# Altium PCB SwitchPower.PcbDoc
Units mil, origin at the board's own origin, x right, y up, seen from the top; angles counter-clockwise.
Board outline 3937.01 x 3290 mil, 2 copper layers (Top Layer, Bottom Layer); 63 components, 35 nets, 143 pads, 41 vias.
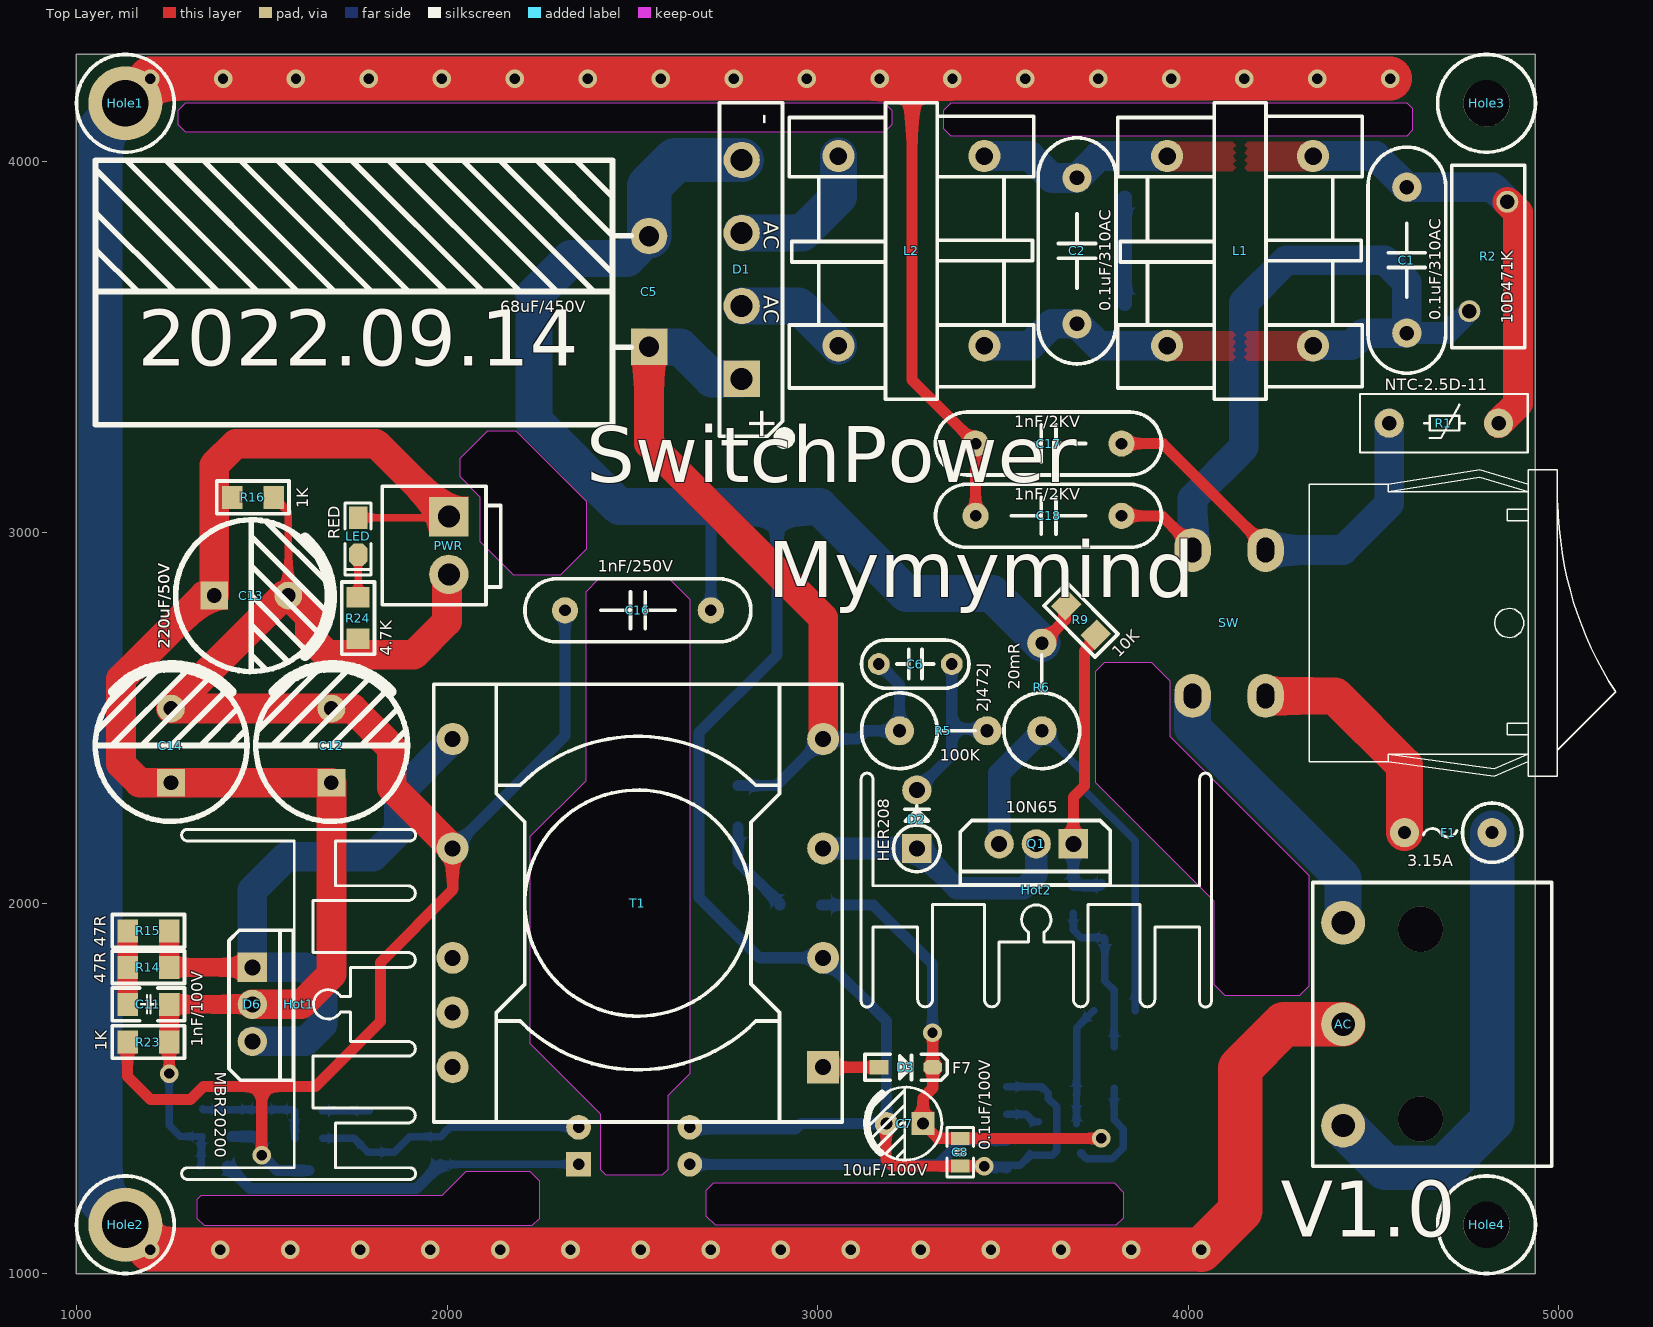
[diagram p0: Top Layer view]
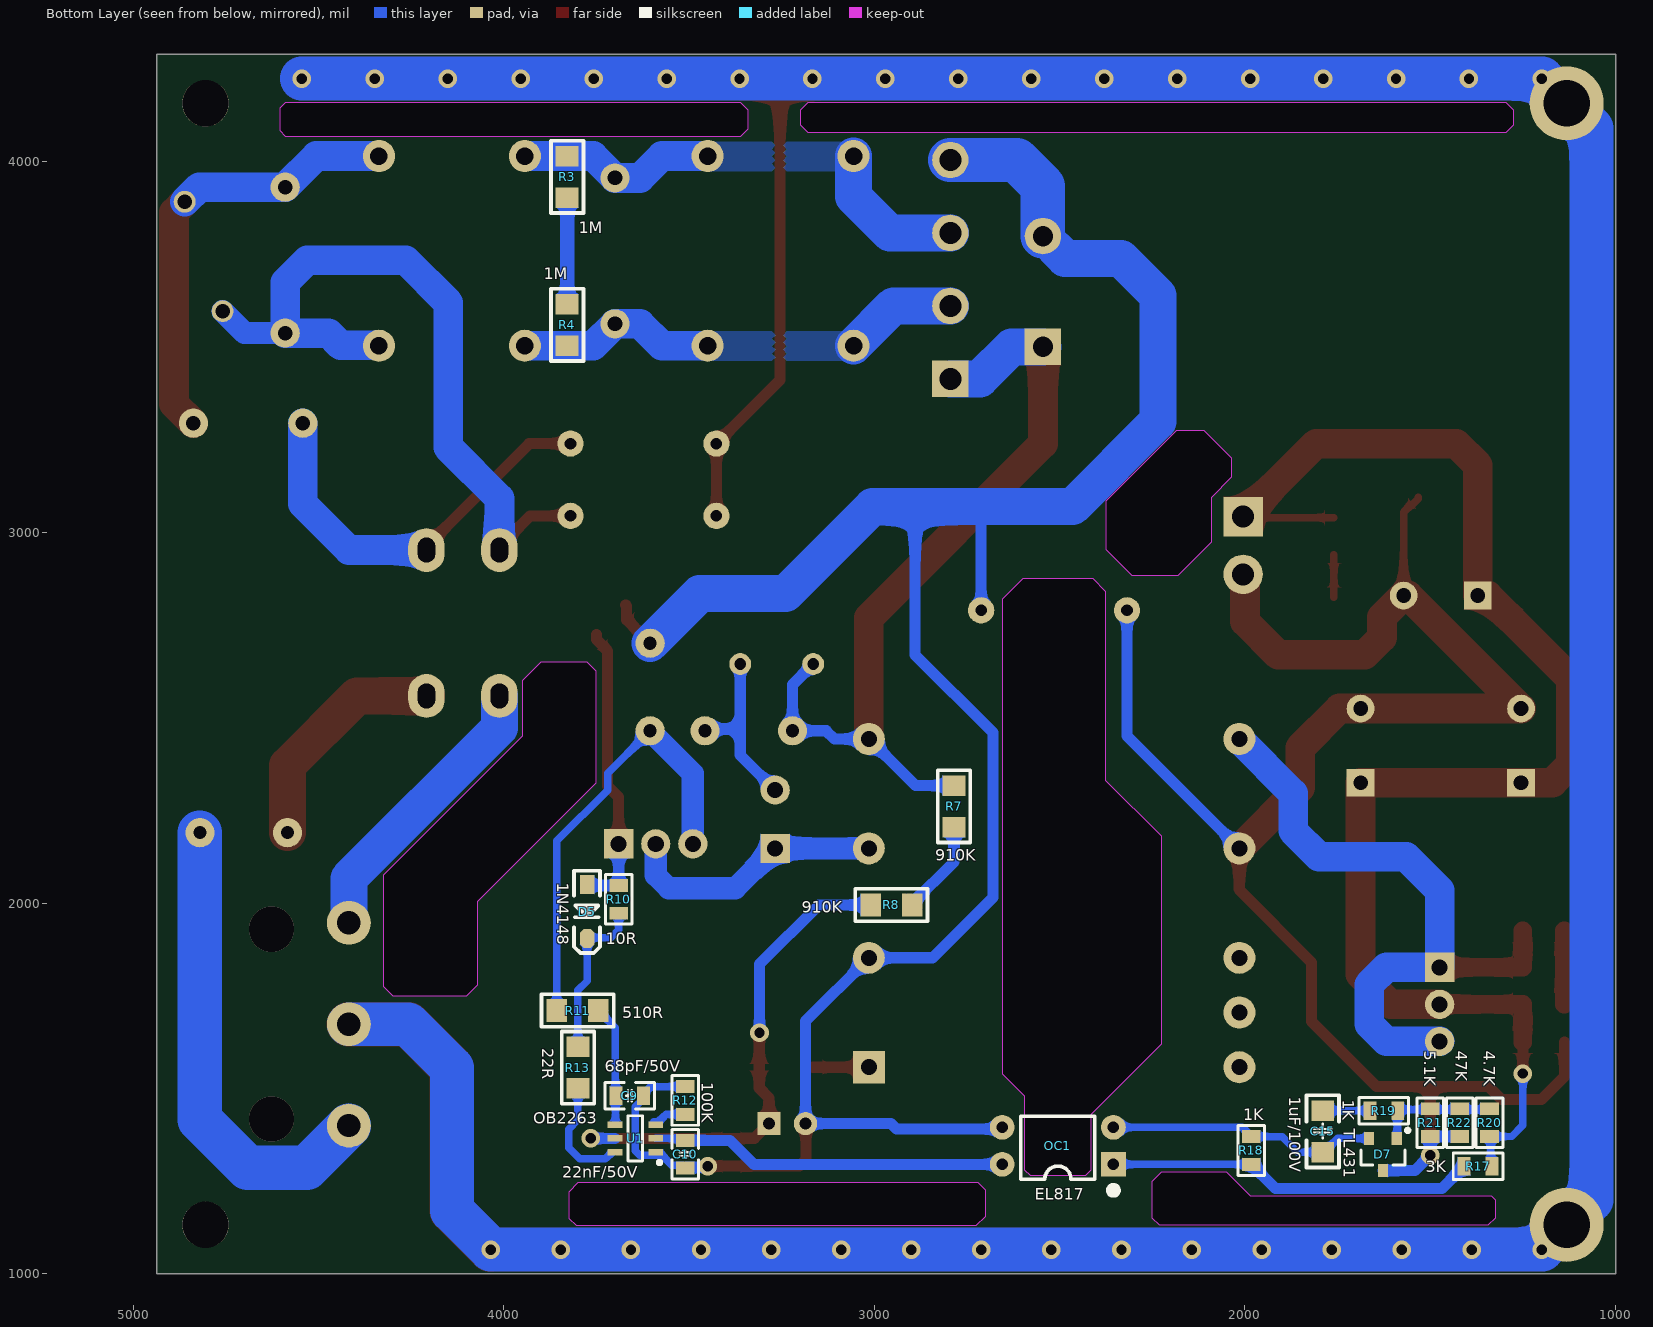
[diagram p1: Bottom Layer view, seen from below]
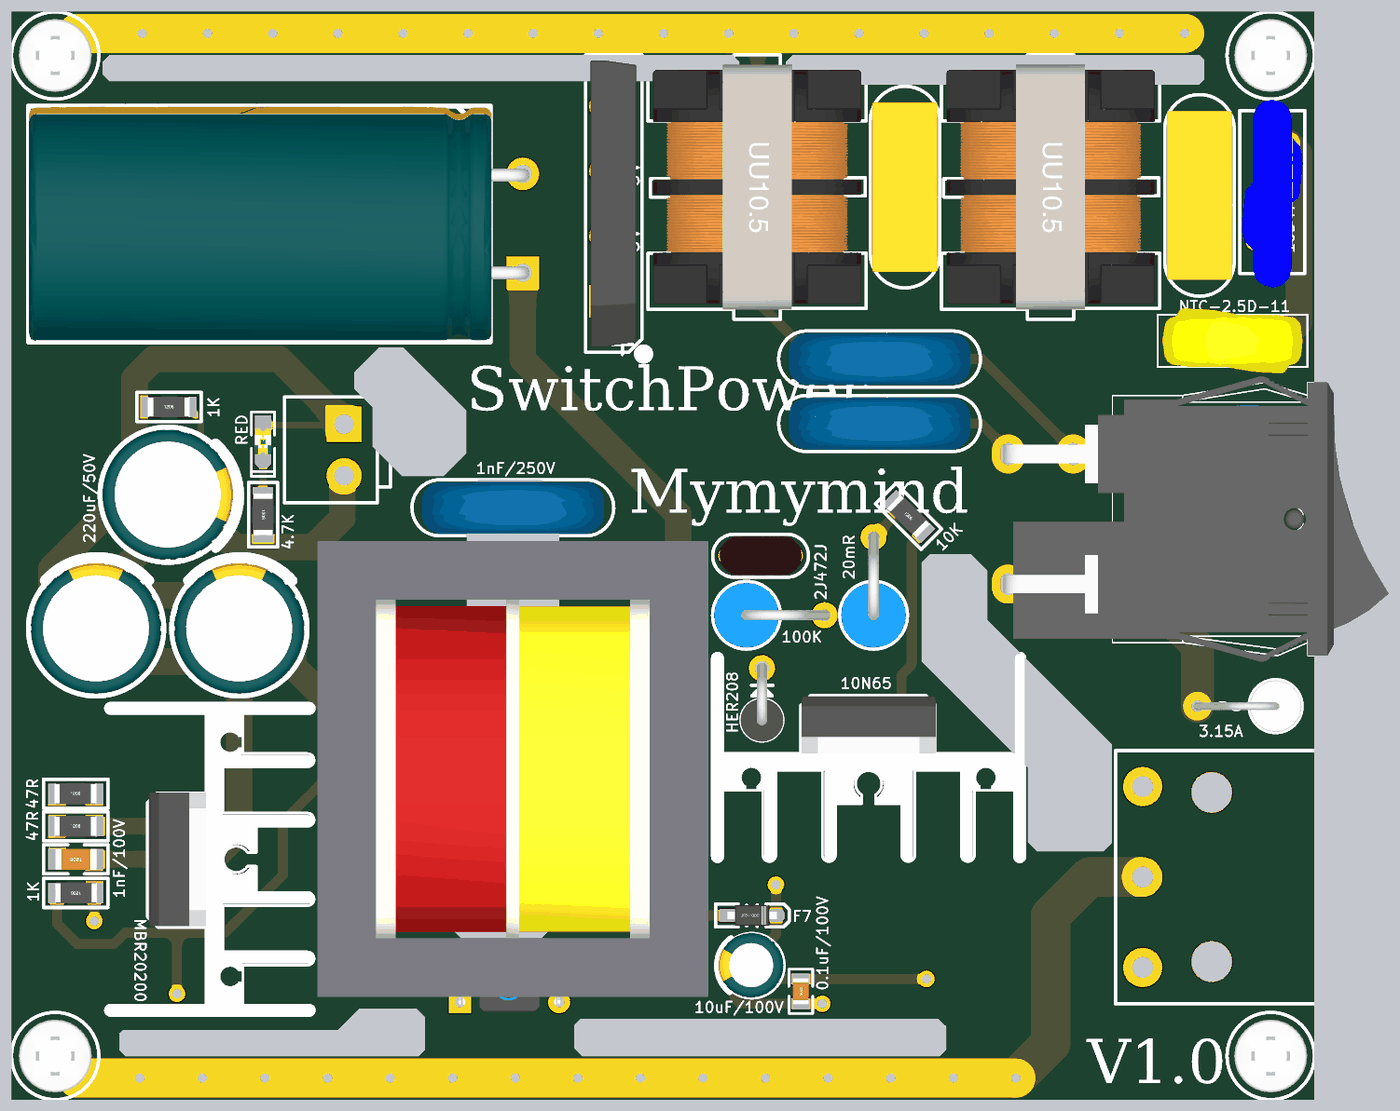
[diagram p2: 3D render of the assembled board from above, using the file's embedded part models]
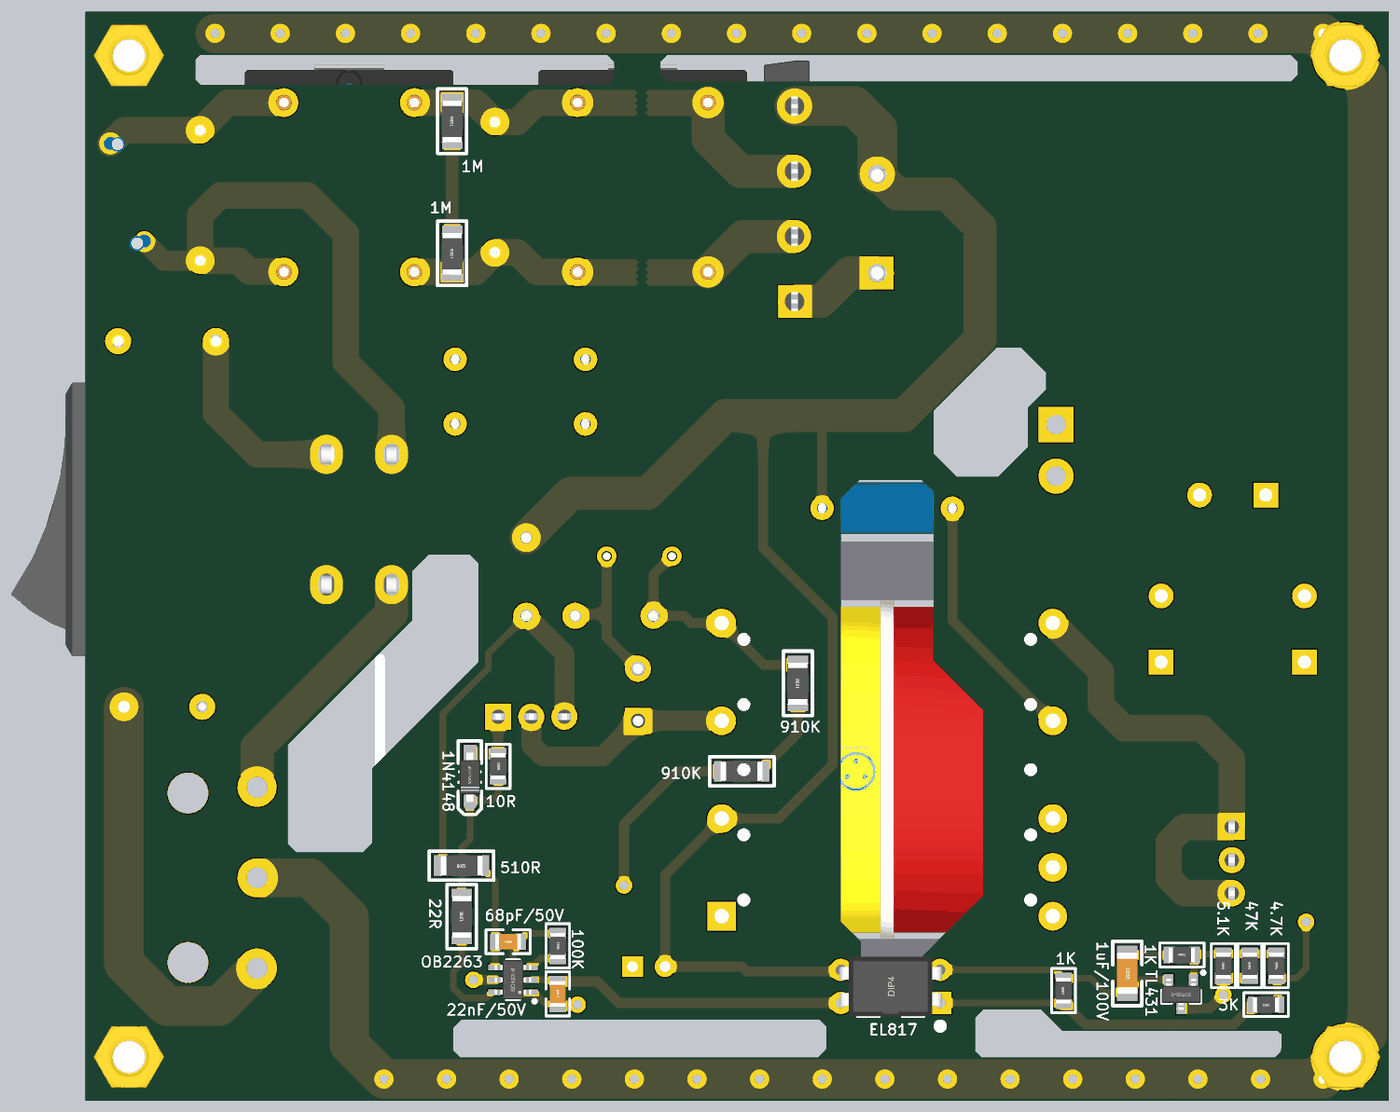
[diagram p3: 3D render of the assembled board from below, using the file's embedded part models]

## Layer stack, top to bottom
Top Solder: solder mask 0.4, Solder Resist, Dk 3.5
Top Layer: signal copper 1.4
Dielectric 1: dielectric 12.6, FR-4, Dk 4.8
Bottom Layer: signal copper 1.4
Bottom Solder: solder mask 0.4, Solder Resist, Dk 3.5

## Board outline
1000,1000 4937.01,1000 4937.01,4290 1000,4290
cut-out: 2090,2975 2090,3095 2035,3150 2035,3200 2110,3275 2185,3275 2375,3085 2375,2955 2305,2885 2180,2885
cut-out: 2225,1620 2225,2180 2375,2330 2375,2840 2410,2875 2600,2875 2655,2820 2655,1540 2595,1480 2595,1280 2580,1265 2430,1265 2415,1280 2415,1430
cut-out: 3340,4090 3340,4140 3360,4160 4590,4160 4605,4145 4605,4085 4590,4070 3360,4070
cut-out: 1275,4100 1275,4140 1295,4160 3180,4160 3200,4140 3200,4100 3180,4080 1295,4080
cut-out: 3750,2325 3750,2625 3775,2650 3900,2650 3950,2600 3950,2450 4325,2075 4325,1775 4300,1750 4100,1750 4070,1780 4070,2005
cut-out: 2700,1155 2700,1225 2720,1245 3800,1245 3825,1220 3825,1150 3805,1130 2725,1130
cut-out: 1325,1150 1345,1130 2230,1130 2250,1150 2250,1250 2225,1275 2050,1275 1985,1210 1335,1210 1325,1200

## Design rules (kind name [scope] priority, off if disabled: settings)
Clearance [All] p1: gap=10 ignorepadtopadclearanceinfootprint=FALSE except(0: Arc-Hole Track-Hole SMDPad-Hole THPad-Hole Via-Hole Fill-Hole Poly-Hole Region-Hole Text-Hole)
PlaneConnect [All] p1: planeconnectstyle=Direct reliefexpansion=20 reliefentries=4 reliefconductorwidth=10 reliefairgap=10
PolygonConnect [All] p1: connectstyle=Direct reliefconductorwidth=10 reliefentries=4 polygonreliefangle="90 Angle" airgapwidth=10
RoutingVias [All] p1: holewidth=28 width=50 viastyle="Through Hole" minholewidth=28 minwidth=50 maxholewidth=200 maxwidth=500
SolderMaskExpansion [All] p1: expansion=4 istentingtop=FALSE
Width [All] p1: maxlimit=200 minlimit=10 preferedwidth=10 minimp=50.000000 maximp=50.000000 favimp=50.000000
29 further rules are at their usual default settings.

## Components (designator, comment, footprint, x,y, rotation, side; value= is the part's Value field where it differs from the comment)
AC "AC-3" AC-3_1 4418.11,1673.23 r270 top
C1 "0.1uF/310AC" "CX 10*13*11" 4590,3735 r90 top
C2 "0.1uF/310AC" "CX 10*13*11" 3700,3760 r90 top
C5 "68uF/450V" "CAP 7.5*18*35.5-H - GD" 2546.5,3650.39 r90 top
C6 "2J472J" "CBB 5*6.3*3" 3263.56,2645 r180 top
C7 "10uF/100V" "CAP 2.5*5*11 - GD" 3235,1405 r180 top
C8 "0.1uF/100V" "C 0805_L" 3385,1327.6 r270 top
C9 "68pF/50V" "C 0805_L" 3660,1480 r180 bottom
C10 "22nF/50V" "C 0805_L" 3510,1322.4 r270 bottom
C11 "1nF/100V" "C 1206_L" 1195,1726.76 r180 top
C12 "220uF/50V" "CAP 5.0*10*20 - GD" 1687.96,2425 r90 top
C13 "220uF/50V" "CAP 5.0*10*20 - GD" 1471.75,2830 r0 top
C14 "220uF/50V" "CAP 5.0*10*20 - GD" 1255,2425 r90 top
C15 "1uF/100V" "C 1206_L" 1790,1385 r270 bottom
C16 "1nF/250V" "CY 10*14*5" 2515,2790 r0 top
C17 "1nF/2KV" "CY 10*14*5" 3623.15,3240 r0 top
C18 "1nF/2KV" "CY 10*14*5" 3623.15,3045 r0 top
D1 "GBU410" GBU 2795,3710 r270 top
D2 "HER208" DO-15V 3267.64,2147.64 r90 top
D3 "F7" SOD-123F 3237.83,1557.09 r0 top
D5 "1N4148" SOD-123F 3775.31,1977.17 r270 bottom
D6 "MBR20200" TO220A 1474.4,1726.76 r270 top
D7 "TL431" SOT23-3L 1627.6,1321.69 r0 bottom
F1 "3.15A" "FU 4x16_V" 4820,2190 r180 top
Hole1 "hole" M3#1 1131.89,4158.11 r0 top
Hole2 "hole" M3#1 1131.89,1131.89 r0 top
Hole3 "hole" M3#2 4805.12,4158.11 r0 top
Hole4 "hole" M3#2 4805.12,1131.89 r0 top
Hot1 "TEST POINT" SRP16-24-25 1599.4,1726.76 r270 top
Hot2 "TEST POINT" SRP16-24-25 3590,2035 r180 top
L1 "UU16" UU10.5 4140,3760 r270 top locked
L2 "UU16" UU10.5 3253.15,3760 r270 top locked
LED "RED" "LED 0805R" 1760,2990 r270 top
OC1 "EL817" DIP4-300 2505,1345 r0 bottom
PWR "" VH3.96-LI-2P 2005,2965 r270 top
Q1 "10N65" TO220A 3590,2160 r180 top
R1 "NTC-2.5D-11" "VDR NTC2.5D-11" 4690,3295 r0 top
R2 "10D471K" "R VDR-12.5*16.5-T" 4810,3745 r90 top
R3 "1M" "R 1206_L" 3828.86,3958.82 r90 bottom
R4 "1M" "R 1206_L" 3828.86,3559.21 r90 bottom
R5 "100K" AXIAL0.8-2W-V 3220.92,2465 r0 top
R6 "20mR" AXIAL0.8-2W-V 3605,2465 r90 top
R7 "910K" "R 1206_L" 2785,2260 r90 bottom
R8 "910K" "R 1206_L" 2955,1995 r180 bottom
R9 "10K" "R 1206_L" 3710,2765 r315 top
R10 "10R" "R 0805_L" 3690,2010 r270 bottom
R11 "510R" "R 1206_L" 3800,1710 r0 bottom
R12 "100K" "R 0805_L" 3510,1467.4 r270 bottom
R13 "22R" "R 1206_L" 3800,1555 r90 bottom
R14 "47R" "R 1206_L" 1193.03,1826.76 r0 top
R15 "47R" "R 1206_L" 1193.03,1925 r0 top
R16 "1K" "R 1206_L" 1475,3095 r0 top
R17 "3K" "R 0805_L" 1370.93,1290 r0 bottom
R18 "1K" "R 0805_L" 1982.6,1332.4 r90 bottom
R19 "1K" "R 0805_L" 1625,1440 r180 bottom
R20 "4.7K" "R 0805_L" 1340,1407.6 r270 bottom
R21 "5.1K" "R 0805_L" 1500,1407.6 r90 bottom
R22 "47K" "R 0805_L" 1420,1407.6 r90 bottom
R23 "1K" "R 1206_L" 1195,1625 r180 top
R24 "4.7K" "R 1206_L" 1760,2770 r270 top
SW "kcd-102" KCD1-104-W 4208.66,2952.76 r180 top
T1 "EF20" EI28X30 2515,2000 r90 top
U1 "OB2263" SOT23-6L 3645,1365 r90 bottom

## Footprints (in the part's own frame and the unit in brackets; to place one, negate y for a bottom-side part, rotate by r counter-clockwise, add the part's x,y. Pads: shape width x height; smd on the part's side, far side on the other; paste and mask are expansions set on the pad)
AC-3_1 [mm] "梅花交流市电卧式侧接口"
  round 3 hole 1.6: 1(6.95,0) 2(0,0) 3(-6.95,0)
  silkscreen extent -9.71,-2.08 9.74,14.3
AXIAL0.8-2W-V [mm] "脚距6mm，直径5mm"
  round 2 hole 0.9: 1(6,0) 2(0,0)
  silkscreen extent -2.6,-2.6 5.2,2.6, body extent -2.51,-2.51 6.4,2.51, height 17.6
"C 0805_L" [mil] "无极性贴片电容"
  rect 35x50 smd: 1(-37.4,0) 2(37.4,0)
  silkscreen extent -67,-36 67,36, body extent -39,-24 39,24, height 20
"C 1206_L" [mil] "无极性贴片电容"
  rect 55x62 smd: 1(-55.12,0) 2(57.09,0)
  silkscreen extent -96,-44 98,44, body extent -63,-32 63,32, height 48
"CAP 2.5*5*11 - GD" [mm] "脚距2.5mm直径5mm高度11mm"
  rect 1.6x1.6 hole 0.8: 1(-1.25,0)
  round 1.6 hole 0.8: 2(1.25,0)
  silkscreen extent -2.55,-2.5 2.6,2.5, body extent -2.5,-2.54 2.51,2.46, height 11.04
"CAP 5.0*10*20 - GD" [mm] "脚距5mm直径10mm高度20mm"
  rect 1.9x1.9 hole 1: 1(-2.54,0)
  round 1.9 hole 1: 2(2.54,0)
  silkscreen extent -5.19,-5.21 5.5,5.19, body extent -5,-5 5.01,5, height 20.04
"CAP 7.5*18*35.5-H - GD" [mm] "脚距7.5mm直径18mm高度35.5mm"
  rect 2.5x2.5 hole 1.4: 1(-3.8,0.038)
  round 2.5 hole 1.4: 2(3.8,0.038)
  silkscreen extent -9.12,1.27 9.01,37.98, body extent -9.05,-0.46 8.96,37.95, height 18.03
"CBB 5*6.3*3" [mm] "脚距5mm高6.3mm厚3mm"
  round 1.5 hole 0.8: 1(-2.5,0) 2(2.5,0)
  silkscreen extent -3.68,-1.65 3.68,1.65, body extent -3.15,-1.5 3.15,1.5, height 6.8
"CX 10*13*11" [mm] "脚距10mm高13mm厚11mm"
  round 2 hole 1: 1(-5,0) 2(5,0)
  silkscreen extent -7.75,-2.67 7.75,2.67, body extent -6.5,-2.5 6.5,2.5, height 11.02
"CY 10*14*5" [mm] "脚距10mm，直径14mm，厚5mm"
  round 1.8 hole 0.8: 1(-5,0) 2(5,0)
  silkscreen extent -7.74,-2.16 7.74,2.16, body extent -7,-2 7,2, height 14.2
DIP4-300 [mm] "4.6*7.6*3.8(长宽高）"
  rect 1.7x1.7 hole 0.8: 1(-3.81,1.27)
  round 1.7 hole 0.8: 2(-3.81,-1.27) 3(3.81,-1.27) 4(3.81,1.27)
  silkscreen extent -4.06,-2.03 2.54,3.3, body extent -3.93,-2.29 3.94,2.29, height 4.5
DO-15V [mm] "3.3*4mm(直径，脚距）"
  rect 2x2 hole 1.1: 1(0,0)
  round 2 hole 1.1: 2(4,0)
  silkscreen extent -1.6,-1.6 2.92,1.6, body extent -1.65,-1.65 4.4,1.65, height 8.35
EI28X30 [mm] "长：30mm，宽：28mm，高：26mm"
  round 2.2 hole 1.1: 0(-11.25,12.7) 0(-7.5,12.7) 0(-3.75,12.7) 1(11.25,-12.7) 2(3.75,-12.7) 5(-3.75,-12.7) 6(3.75,12.7) 10(11.25,12.7)
  rect 2.2x2.2 hole 1.1: 4(-11.25,-12.7)
  silkscreen extent -15,-14 15,14, body extent -17.5,-15 17.5,15, height 33.05
"FU 4x16_V" [mm] "4*16mm(直径，脚距）"
  round 2 hole 0.9: 1(0,0) 2(6,0)
  silkscreen extent -2.03,-2.03 4.71,2.03, body extent -2,-2 6.3,2, height 13.1
GBU [mm] "整流桥，脚距：5mm/200mil"
  rect 2.5x2.5 hole 1.5: 1(7.5,0)
  round 2.5 hole 1.5: 2(-7.5,0) 3(2.5,0) 4(-2.5,0)
  silkscreen extent -11.43,-1.52 11.92,3.28, body extent -11,-1.15 11,2.35, height 20.8
KCD1-104-W [mm] "船型开关-卧式"
  oval 2.5x3 hole 1.2 slot 1.7 at 90 deg mask+0: 1(0,0) 2(5,0) 3(0,10) 4(5,10)
  silkscreen extent -23.99,-5.5 -3,15.5, body extent -24.2,-5.95 5.4,15.95, height 15.1
"LED 0805R" [mil] "红色0805LED"
  rect 60x50 smd: 1(-50,0)
  oct 60x50 smd: 2(50,0)
  silkscreen extent -90,-35 105,35, body extent -39,-25 39,25, height 32
M3#1 [mil]
  round 200 hole 125: 1(0,0)
  silkscreen extent -132,-132 132,132, body extent -110,-110 110,110, height 96
M3#2 [mil]
  round 125 hole 125 mask+4: 1(0,0)
  silkscreen extent -132,-132 132,132, body extent -110,-110 110,110, height 96
"R 0805_L" [mil] "1/8W贴片电阻"
  rect 35x50 smd: 1(-37.4,0) 2(37.4,0)
  silkscreen extent -67,-36 67,36, body extent -39,-25 39,25, height 20
"R 1206_L" [mil] "1/4W贴片电阻"
  rect 55x62 smd: 1(-55.12,0) 2(57.09,0)
  silkscreen extent -96,-44 98,44, body extent -63,-31 63,31, height 22
"R VDR-12.5*16.5-T" [mm] "10D-压敏电阻"
  round 1.5 hole 1: 1(-3.75,1.3) 2(3.75,-1.3)
  silkscreen extent -6.25,-2.5 6.25,2.5, body extent -7.37,-2.33 7.12,2.33, height 14.5
SOD-123F [mm] "2.7x1.6X1.1mm（长宽高，不包括引脚）"
  rect 1.3x1 smd: 1(-1.85,0)
  oct 1.3x1 smd: 2(1.85,0)
  silkscreen extent -2.79,-0.89 2.84,0.89, body extent -1.9,-0.8 1.9,0.8, height 1.15
SOT23-3L [mm] "3x1.3x1mm(长宽高)"
  rect 0.7x0.9 smd: 1(-0.95,-1.1) 2(0.95,-1.1) 3(0,1.1)
  silkscreen extent -1.82,-1.78 1.5,0.71, body extent -1.5,-1.19 1.5,1.21, height 1.05
SOT23-6L [mm] "3x1.6x1.1mm(长宽高)"
  rect 0.45x1 smd: 1(-0.95,-1.397) 2(0,-1.397) 3(0.95,-1.397) 4(0.95,1.397) 5(0,1.397) 6(-0.95,1.397)
  silkscreen extent -1.77,-1.78 1.55,0.51, body extent -1.5,-1.4 1.5,1.4, height 1.15
SRP16-24-25 [mil] "16mm*24mm*25mm(长*宽*高)"
  silkscreen extent -472,-316 472,316, body extent -472,-315 472,315, height 986
TO220A [mm] "220，3脚晶体管"
  rect 2x2 hole 1.1: 1(-2.54,0)
  round 2 hole 1.1: 2(0,0) 3(2.54,0)
  silkscreen extent -5.08,-1.6 5.21,2.82, body extent -5.15,-1.53 5.15,2.9, height 18.5
UU10.5 [mm] "18*16*20mm(长宽高）"
  round 2.2 hole 1.2: 1(-6.5,5) 2(-6.5,-5) 3(6.5,-5) 4(6.5,5)
  silkscreen extent -10.16,-8.38 10.16,8.38, body extent -9.4,-8 9.4,8, height 21.05
"VDR NTC2.5D-11" [mm] "压敏电阻11.5mm*4.5mm(直径*厚度）"
  round 2 hole 1: 1(-3.75,0) 2(3.75,0)
  silkscreen extent -5.75,-2 5.75,2, body extent -5.4,-2.5 5.4,2.5, height 13.6
VH3.96-LI-2P [mm] "接插件，25V/5A"
  rect 2.7x2.7 hole 1.5: 1(-1.98,0)
  round 2.7 hole 1.5: 2(1.982,0)
  silkscreen extent -4.06,-4.57 4.07,3.56, body extent -3.98,-4.4 4.03,4.16, height 10.5

## Part data
AC: "交流市电接口3芯"
C1 C2 C6 C8 C9 C10 C11 C15 C16 C17 C18: library part C, "无极性贴片电容", BOM名称=无极性贴片电容
C5 C7 C12 C13 C14: library part C-CM, "贴片电解电容", BOM名称=贴片电解电容
D1: library part RectifierBridge, "整流桥"
D2 D3: library part D-US1M, "开关二级管"
D5: library part D, "二极管"
D6: library part DIODE, "整流二极管"
D7: "稳压二极管"
F1: library part FUSE, "保险丝"
Hole1 Hole2 Hole3 Hole4 Hot1 Hot2: library part TEST-POINT, "测试点"
L1 L2: library part DLW21SN900SQ2L, "共模电感"
LED: library part LED, "发光二极管"
OC1: "线性光耦", BOM名称=线性光耦
PWR: library part "Header 2", "Header, 2-Pin", LatestRevisionDate=17-Jul-2002, LatestRevisionNote="Re-released for DXP Platform.", Publisher="Altium Limited"
Q1: library part IRFS3607PBF, "NMOS 75V+80A 7.4mΩ", BOM名称=N沟场效应管
R1: library part R_NTC, "热敏电阻"
R2: library part R_VDR, "压敏电阻"
R3 R4 R5 R6 R7 R8 R9 R10 R11 R12 R13 R14 R15 R16 R17 R18 R19 R20 R21 R22 R23 R24: library part R, "贴片电阻"
SW: library part Switch_2, "双刀单掷开关"
T1: "开关电源变压器"
U1: "开关电源IC"

## Via types
v1: diameter 50, hole 28, Top Layer to Bottom Layer, 39 vias
v2: diameter 122.05, hole 122.05, Top Layer to Bottom Layer, 2 vias

## Nets (pads, with @x,y where several pads share a name; then routed paths per layer and width w, separated by ;. In a path a pad name is that pad's centre, name@x,y a point inside that pad or via, vN(x,y) a via of type N, cw(c..) or ccw(c..) an arc to the next point about the centre after c; other vN are vias at no path point)
16V: C7.1 C8.1 D3.2 R8.1 U1.5 | length 1369.5
  Top Layer w30: v1@3310.67,1650 D3.2 3310.67,1500.67 3284.21,1474.21 C7.1 3324.21,1365 C8.1 v1(3765,1365)
  Bottom Layer w30: R8.1 3150,1995 3310,1835 v1(3310,1650) ; U1.5 v1(3765,1365)
24V: C11.1 C12.1 C13.1 C14.1 D6.2 LED.1 PWR.1 R16.1 R17.1 R20.2 R23.1 | length 4001
  Top Layer w20: LED.1 2002.05,3040 PWR.1
  Top Layer w30: v1(1250,1540) 1250.06,1540.06 1250.06,1624.94 R23.1
  Top Layer w50: R23.1 C11.1 D6.2
  Top Layer w80: D6.2 1606.76,1726.76 1687.96,1807.96 C12.1 C14.1 1170,2325 1120,2375 1120,2605 1345,2830 C13.1 1371.75,3181.75 1430,3240 1807.95,3240 PWR.1
  Bottom Layer w20: v1(1250,1540) 1250,1400.2 1280,1370.2 R20.2 1336.76,1366.96 1336.76,1293.24 R17.1
310V: C5.1 C6.2 D1.1 R5.2 R7.2 T1.1 | length 2238.5
  Top Layer w80: C5.1 2545,3240 3015,2770 T1.1
  Bottom Layer w30: R7.2 2889.17,2317.09 T1.1 3107.91,2442.91 3130,2465 R5.2 3220.92,2589.21 C6.2
  Bottom Layer w100: C5.1 2629.21,3500.79 2715.28,3414.72 D1.1
AC_L: C17.2 R1.1 SW.1 | length 1116.4
  Top Layer w30: C17.2 3931.26,3240 4208.66,2962.6 SW.1
  Bottom Layer w80: SW.1 4417.76,2952.76 4542.36,3077.36 R1.1
AC_N: C1.1 C18.2 L1.4 R2.1 SW.2 | length 2070.2
  Top Layer w30: C18.2 3929.41,3045 4011.81,2962.6 SW.2
  Bottom Layer w60: C1.1 4699.61,3538.15 R2.1
  Bottom Layer w80: SW.2 4011.81,3091.81 4150,3230 4150,3620 4265,3735 4530,3735 4590,3675 C1.1 4473.15,3538.15 4440.36,3505.36 4338.12,3505.36 L1.4
DGND: C12.2 C13.2 C14.2 C16.1 D7.3 PWR.2 R16.2 R21.1 R22.1 R23.2 R24.2 T1.6 | length 5062.8
  Top Layer w20: R16.2 1532.09,3091.5 1549.59,3074 1553.09,3074 1571.75,3055.34 C13.2
  Top Layer w30: R23.2 1137.91,1532.09 1200,1470 1307.74,1470 1342.74,1505 1500,1505 ; v1(1500,1320) 1500,1505 ; T1.6 2015,2035 1820,1840 1820,1680 1645,1505 1500,1505
  Top Layer w80: PWR.2 1999.97,2881.92 1999.97,2759.97 1910,2670 1676.86,2670 1630,2716.86 1630,2771.75 C13.2 1560,2830 C14.2 C12.2 1745,2525 1850.85,2419.15 1850.85,2311.79 T1.6
  Bottom Layer w30: R22.1 R21.1 v1(1500,1320) 1541.61,1278.39 D7.3 ; T1.6 2318.15,2450.79 C16.1
EARTH: AC.2 C17.1 C18.1 Hole1.1 Hole2.1 | length 18608.5
  Top Layer w30: 3255,4225 3255,3411.3 C17.1 C18.1
  Top Layer w118.11: v1(1198.54,1065) v1(4035,1065) ; v1(1198.54,4225) 3255,4225 v1(4545,4225)
  Top Layer w120: v1(4035,1065) 4140,1170 4140,1555 4258.22,1673.22 AC.2
  Bottom Layer w118.11: v1(1198.54,4225) Hole1.1@1198.78,4225 ; AC.2 4258.22,1673.22 4140,1555 4140,1170 v1(4035,1065) 1198.78,1065 1198.66,1065.12 Hole2.1 1065,1198.78 1065,4091.22 Hole1.1 Hole1.1@1198.78,4225 ; v1(4545,4225) Hole1.1@1198.78,4225
GND: C5.2 C7.2 C8.2 C9.2 C10.2 C16.2 D1.2 OC1.3 R6.1 R9.1 R12.1 T1.5 U1.1 | length 6624
  Top Layer w30: C7.2 3185,1404.21 3185,1307.77 3202.57,1290.2 C8.2 3385.1,1290.1 3449.9,1290.1 v1(3450,1290) ; R6.1 3668.55,2764.77 3668.55,2801.5 R9.1
  Bottom Layer w20: R12.1 3605.3,1504.8 3622.6,1487.5 C9.2 3622.6,1472.5 3645,1450.1 3645,1331.72 3633.28,1320 3573.86,1320 3546.36,1292.5 C10.2@3517.5,1292.5
  Bottom Layer w30: OC1.3 2660,1390 2940,1390 2955,1405 C7.2 3185.79,1681.57 T1.5 2842.64,1852.36 2680,2015 2680,2460 2890,2670 2890,3070 ; C16.2 2711.85,3061.85 2720,3070 ; v1(3450,1290) 3452.5,1287.5 3507.5,1287.5 C10.2
  Bottom Layer w100: C5.2 2485,3740 2335,3740 2235,3640 2235,3300 2465,3070 2720,3070 2890,3070 3005,3070 3240,2835 3471.22,2835 R6.1
  Bottom Layer w120: C5.2 2545,3934.98 2615.29,4005.28 D1.2
NetAC_1: AC.1 F1.1 | length 1277.1
  Bottom Layer w120: AC.1 4531.42,1286.3 4691.3,1286.3 4820,1415 F1.1
NetAC_3: AC.3 SW.4 | length 780.5
  Bottom Layer w100: SW.4 4011.81,2473.19 4418.11,2066.89 AC.3
NetC1_2: C1.2 L1.1 R1.2 R2.2 | length 1206.7
  Top Layer w80: R1.2 4890,3347.36 4890,3863.82 R2.2
  Bottom Layer w80: L1.1 4505.94,4015.91 C1.2 4821.97,3931.85 R2.2
NetC2_1: C2.1 L1.3 L2.4 R4.1 | length 551.1
  Bottom Layer w80: L2.4 3573.29,3504.09 3632.34,3563.15 C2.1 3759.06,3504.09 R4.1 ; R4.1@3819.86,3504.09 L1.3
NetC2_2: C2.2 L1.2 L2.1 R3.2 | length 551.1
  Bottom Layer w80: L2.1 3573.29,4015.91 3632.34,3956.85 C2.2 3759.06,4015.91 R3.2 ; R3.2@3819.86,4015.91 L1.2
NetC6_1: C6.1 D2.2 R5.1 | length 476.2
  Bottom Layer w30: D2.2 3361.98,2399.46 3361.98,2470 ; C6.1 3361.98,2470 ; R5.1 3452.14,2470 3361.98,2470
NetC10_1: C10.1 OC1.4 U1.2 | length 956.8
  Bottom Layer w20: C10.1@3515,1365 U1.2
  Bottom Layer w30: OC1.4 3325,1295 3389.8,1359.8 C10.1
NetC11_2: C11.2 R14.1 R15.1 | length 198.2
  Top Layer w50: C11.2 R14.1 R15.1
NetC15_1: C15.1 R19.1 | length 127.6
  Bottom Layer w20: R19.1 1662.47,1440.06 1789.94,1440.06 C15.1
NetC15_2: C15.2 D7.2 OC1.2 R18.2 | length 733.1
  Bottom Layer w20: D7.2 1749.41,1365 1786.5,1327.91 C15.2 1857.91,1327.91 1899.8,1369.8 R18.2 2007.79,1395 OC1.2
NetD1_3: D1.3 L2.3 | length 305.8
  Bottom Layer w100: D1.3 2948.82,3611.57 L2.3
NetD1_4: D1.4 L2.2 | length 411.4
  Bottom Layer w100: D1.4 2958.43,3808.43 3056.3,3906.3 L2.2
NetD2_1: D2.1 Q1.2 T1.2 | length 719.1
  Bottom Layer w60: T1.2 D2.1 3375.28,2040 3555,2040 3590,2075 Q1.2
NetD3_1: D3.1 T1.4 | length 150
  Top Layer w30: T1.4 D3.1
NetD5_1: D5.1 Q1.1 R9.2 R10.1 | length 778.3
  Top Layer w30: Q1.1 3690,2286.07 3720,2316.07 3720,2680.69 3750.37,2711.06 R9.2
  Bottom Layer w30: Q1.1 R10.1 3762.41,2047.4 D5.1@3765,2050
NetD5_2: D5.2 R10.2 R13.2 | length 442.4
  Bottom Layer w20: R10.2 3690,1927.57 3710.63,1906.95 3772.7,1906.95 D5.2 3775.31,1789.69 3800,1765 R13.2
NetD6_1: D6.1 R14.2 R15.2 T1.10 | length 1826.6
  Top Layer w50: R15.2 R14.2 D6.1
  Bottom Layer w80: 1474.4,1626.76 1618.14,1626.76 1665,1673.62 1665,1779.89 1618.14,1826.76 D6.1 1474.4,2034.4 1565,2125 1800,2125 1870,2195 1870,2296.12 2015,2441.12 T1.10
NetD7_1: D7.1 R19.2 R20.1 R21.2 R22.2 | length 325.7
  Bottom Layer w20: R20.1 1342.5,1442.5 1585.1,1442.5 R19.2 1588.9,1438.7 1588.9,1366.3 D7.1
NetF1_2: F1.2 SW.3 | length 634.1
  Top Layer w100: SW.3 4395.94,2559.06 4583.78,2371.22 F1.2
NetLED_2: LED.2 R24.1 | length 114.9
  Top Layer w20: R24.1 LED.2
NetOC1_1: OC1.1 R17.2 R18.1 | length 1002.8
  Bottom Layer w20: R18.1 OC1.1
  Bottom Layer w30: R17.2 1408.33,1282.5 1410.83,1280 1418.33,1280 1468.33,1230 1917.59,1230 R18.1
NetQ1_3: Q1.3 R6.2 R11.2 | length 1212.1
  Bottom Layer w20: R6.2 3720,2350 3720,2305 3857.09,2167.91 R11.2
  Bottom Layer w60: Q1.3 3490,2350 R6.2
NetR3_1: R3.1 R4.2 | length 287.4
  Bottom Layer w38: R4.2 R3.1
NetR7_1: R7.1 R8.2 | length 256.7
  Bottom Layer w30: R7.1 2785,2111.41 2897.91,1998.5 R8.2
NetR12_2: R12.2 U1.3 | length 93.3
  Bottom Layer w20: R12.2 3562.4,1430 3582.4,1410 U1.3@3595,1410
NetR13_1: R13.1 U1.6 | length 304.8
  Bottom Layer w20: U1.6@3709.69,1326.46 3726.14,1310 3795,1310 3825,1340 3825,1390 3800,1415 R13.1
Sensor: C9.1 R11.1 U1.4 | length 325.2
  Bottom Layer w20: U1.4@3698.7,1405 3698.7,1478.7 C9.1 3698.76,1481.35 3698.76,1663.88 R11.1
pads on no net: D6.3 Hole3.1 Hole4.1 T1.0
copper on no net:
  other v1: 1387.64,1065 1576.74,1065 1765.83,1065 1954.93,1065 2144.03,1065 2333.13,1065 2522.22,1065 2711.32,1065 2900.42,1065 3089.51,1065 3278.61,1065 3467.71,1065 3656.81,1065 3845.9,1065 1395.39,4225 1592.24,4225 1789.09,4225 1985.94,4225 2182.79,4225 2379.65,4225 2576.5,4225 2773.35,4225 2970.2,4225 3167.05,4225 3363.9,4225 3560.75,4225 3757.6,4225 3954.45,4225 4151.3,4225 4348.15,4225
  other v2: 4626.78,1417.32 4626.78,1929.13

## Polygon pours and split planes (outlines as drawn)
NetC2_1 on Top Layer "NETC2_1_L01_P004" (solid, pour order 4): 3905,3505 3943.19,3543.19 4120,3543.19 4130,3533.19 4120,3523.19 4130,3513.19 4120,3503.19 4130,3493.19 4120,3483.19 4130,3473.19 4120,3463.19 3946.81,3463.19
AC_N on Top Layer "AC_N_L01_P003" (solid, pour order 3): 4375,3503.19 4335,3463.19 4160,3463.19 4150,3473.19 4160,3483.19 4150,3493.19 4160,3503.19 4150,3513.19 4160,3523.19 4150,3533.19 4160,3543.19 4335,3543.19
NetC1_2 on Top Layer "NETC1_2_L01_P002" (solid, pour order 2): 4375,4014.08 4335.92,3975 4161.2,3975 4151.2,3985 4161.2,3995 4151.2,4005 4161.2,4015 4151.2,4025 4161.2,4035 4151.2,4045 4161.2,4055 4334.08,4055
NetC2_2 on Top Layer "NETC2_2_L01_P001" (solid, pour order 1): 3905,4015 3945,4055 4120,4055 4130,4045 4120,4035 4130,4025 4120,4015 4130,4005 4120,3995 4130,3985 4120,3975 3945,3975
no net on Top Layer "NONET_L01_P000" (solid, pour order 0): 4900,4270
no net on Top Solder "NONET_L-01_P-001" (solid): 4100,3543.15 4100,3463.15 4185,3463.15 4185,3543.15
no net on Top Solder "NONET_L-01_P-001" (solid): 4100,4055 4100,3975 4185,3975 4185,4055
NetC2_1 on Bottom Layer "NETC2_1_L02_P007" (solid, pour order 7): 3491.29,3502.96 3451.29,3462.96 3276.29,3462.96 3266.29,3472.96 3276.29,3482.96 3266.29,3492.96 3276.29,3502.96 3266.29,3512.96 3276.29,3522.96 3266.29,3532.96 3276.29,3542.96 3451.29,3542.96
NetD1_3 on Bottom Layer "NETD1_3_L02_P008" (solid, pour order 8): 3021.29,3504.77 3059.48,3542.96 3236.29,3542.96 3246.29,3532.96 3236.29,3522.96 3246.29,3512.96 3236.29,3502.96 3246.29,3492.96 3236.29,3482.96 3246.29,3472.96 3236.29,3462.96 3063.1,3462.96
NetC2_2 on Bottom Layer "NETC2_2_L02_P006" (solid, pour order 6): 3491.29,4013.85 3452.21,3974.77 3277.49,3974.77 3267.49,3984.77 3277.49,3994.77 3267.49,4004.77 3277.49,4014.77 3267.49,4024.77 3277.49,4034.77 3267.49,4044.77 3277.49,4054.77 3450.37,4054.77
NetD1_4 on Bottom Layer "NETD1_4_L02_P005" (solid, pour order 5): 3021.29,4014.77 3061.29,4054.77 3236.29,4054.77 3246.29,4044.77 3236.29,4034.77 3246.29,4024.77 3236.29,4014.77 3246.29,4004.77 3236.29,3994.77 3246.29,3984.77 3236.29,3974.77 3061.29,3974.77
no net on Bottom Solder "NONET_L-01_P-001" (solid): 3216.29,4054.77 3216.29,3974.77 3301.29,3974.77 3301.29,4054.77
no net on Bottom Solder "NONET_L-01_P-001" (solid): 3216.29,3542.92 3216.29,3462.92 3301.29,3462.92 3301.29,3542.92

## Silkscreen, mask and mechanical layers (free items; w line width, h text height)
Top Overlay:
  text "2022.09.14" at 1165,3400.2 h260
  text "SwitchPower" at 2375,3085.46 h260
  text "Mymymind" at 2865,2775.57 h260
  text "V1.0" at 4250,1050.2 h260
Top Solder:
  lines w118.11: 1198.54,1065 4035,1065 ; 1198.54,4225 4545,4225 ; 4418.11,1673.11 4418.11,1673.22
Mechanical 1:
  lines w5: 1275,4100 1275,4140 1295,4160 3180,4160 3200,4140 3200,4100 3180,4080 1295,4080 1275,4100 ; 1325,1150 1345,1130 1350,1130 2230,1130 2250,1150 2250,1250 2225,1275 2050,1275 1985,1210 1335,1210 1325,1200 1325,1150 ; 2035,3150 2090,3095 2090,2975 2180,2885 2305,2885 2375,2955 2375,3085 2185,3275 2110,3275 2035,3200 2035,3150 ; 2225,1620 2415,1430 2415,1280 2430,1265 2580,1265 2595,1280 2595,1480 2655,1540 2655,2820 2600,2875 2410,2875 2375,2840 2375,2330 2225,2180 2225,1620 ; 2700,1155 2725,1130 3805,1130 3825,1150 3825,1220 3800,1245 2720,1245 2700,1225 2700,1155 ; 3340,4090 3340,4140 3360,4160 4590,4160 4605,4145 4605,4085 4590,4070 3360,4070 3340,4090 ; 3750,2325 3750,2625 3775,2650 3900,2650 3950,2600 3950,2450 4325,2075 4325,1775 4300,1750 4100,1750 4070,1780 4070,2005 3750,2325
  lines w10: 4996.06,1000 4996.06,4290 ; 1000,1000 1000,4290 4937.01,4290 4937.01,1000 1000,1000

## Dimensions
1000,1000 to 1000,4290 on Mechanical 1
1000,4290 to 4937.01,4290 on Mechanical 1

## Text inside footprints (layer, text, board x,y; h text height)
D1: Top Overlay "-" at 2835,4130 h60 r270; Top Overlay "+" at 2815,3340 h80 r270; Top Overlay "AC" at 2855,3840 h40 r270; Top Overlay "AC" at 2855,3640 h40 r270